# Allegro board pc065c_fibv2_toplevel_13_fix.brd (continued)
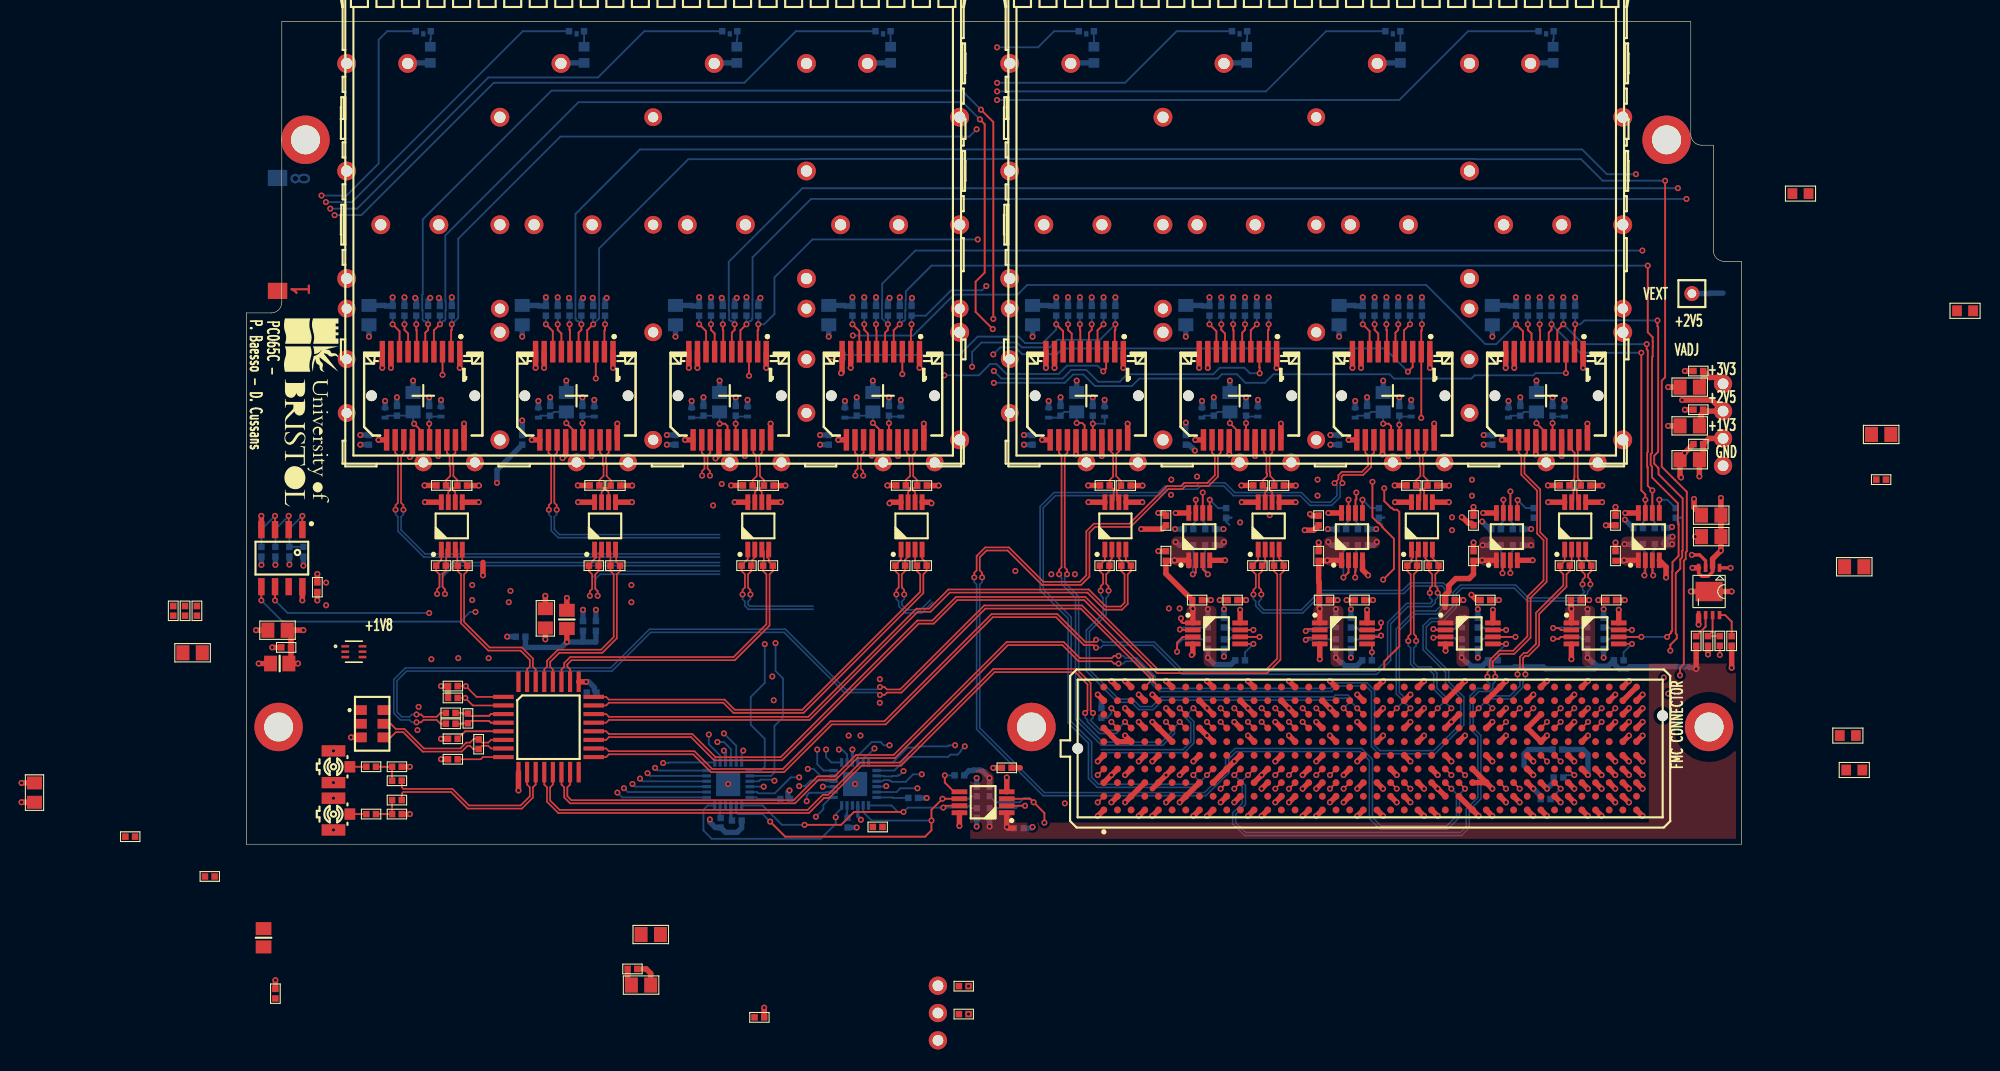
[diagram p0: board, top side]
## Routing (per net, layer and track width the routed paths; a pad name or vN(x,y) marks a point on that pad's centre or on a via; arc(x,y) is an arc through that point) (continued)
P2V5: length 103.3
  TOP w0.2: v1(86.9,21) 86.9,20.72 87.05,20.57 IC12.1
  TOP w0.5: IC16.1 v1(123.2,21.9) 123.15,21.95 C87.2 ; L2.1 v1(29.8,22.9) ; IC20.1 v1(128.1,26.4) 128.05,26.35 C95.2 ; R183.1 v1(134.8,16.3) ; C38.2 135.58,40.27 ; 135.58,40.27 135.26,39.95 135.26,39.06 C39.2 ; 135.58,40.27 J40.3 136.27,41.3 v1(133.5,41.3) ; IC12.1 v1(88,21.9) 87.95,21.95 ; C79.2 70.8,1.5 v1(70.7,1.6) IC11.1 ; 87.95,21.95 87.9,22 ; 87.95,21.95 C81.2 85.5,25.15 C89.2 86.25,26.35 v1(86.3,26.4) IC17.1 87.62,25.9 ; 116.22,26.4 v1(114.9,26.4) 114.85,26.35 C93.2 114.1,25.1 113.7,24.7 112.45,24.7 111.8,24.05 111.8,23.5 111.45,23.15 C85.2 111.45,22.01 ; 101.83,25.9 IC18.1 v1(100.5,26.4) 100.45,26.35 C91.2 99.7,24.38 99.75,24.32 C83.2 99.75,21.95 v1(99.8,21.9) IC14.1 ; C3.2 v1(27.8,23.1)
  BOTTOM w0.2: 105.6,29.7 105.3,30 R163.1 105.75,30.35 105.8,30.4 ; 133.2,29.7 133.2,29.9 132.9,30.2 R173.1 133.35,30.35 133.4,30.4 ; 91.4,29.7 91.1,30 R158.1 91.55,30.35 91.6,30.4
  BOTTOM w0.5: v1(90.9,28.1) 90.6,27.8 R156.2 ; v1(132.56,27.9) R171.2 131.85,28.1 131.9,28.15 131.9,28.17 132.28,28.56 132.31,28.56 132.35,28.6 v1(132.6,28.6) ; R133.1 67.19,6.84 67.55,6.84 67.6,6.89 68.2,6.89 68.25,6.84 68.41,6.84 v1(69.1,6.16) R131.2 ; R172.2 v1(128.15,27.9) ; R151.2 v1(124.7,17.34) 125.17,16.88 125.27,16.88 125.59,16.55 ; R138.1 91.55,16.7 90.05,16.7 v1(89.4,17.34) R136.2 ; R161.2 104.8,27.8 v1(105.1,28.1) ; R141.2 v1(101.3,17.34) 101.77,16.88 101.86,16.88 102.15,16.59 103.25,16.59 R143.1 ; 134.9,16.4 134.2,16.4 134.1,16.5 128.63,16.5 128.43,16.3 127.64,16.3 127.2,16.74 127.2,17.05 R153.1 126.6,16.55 125.59,16.55 ; R146.2 v1(113,17.34) 113.47,16.88 113.56,16.88 113.89,16.55 114.9,16.55 R148.1 115.64,16.91 115.64,16.63 115.88,16.39 117.81,16.39 117.9,16.49 120.6,16.49 120.79,16.3 125.34,16.3 125.59,16.55 ; R152.2 v1(124.7,21.86) ; C79.2 70.8,1.5 v1(70.7,1.6) ; R142.2 v1(101.3,21.86) ; R147.2 v1(113.3,21.05) ; TP10.1 136.03,51.2 136.07,51.24 137.3,51.24 ; R137.2 v1(89.4,21.86) ; v1(100.6,28.1) 100.6,28.1 100.9,27.8 R162.2 ; R166.2 v1(119.45,27.8) ; R167.2 v1(114.94,27.8) ; v1(86.4,28.1) 86.4,28.1 86.7,27.8 R157.2 ; R132.2 v1(69.1,1.65)
P2V5_FILT: length 12.8
  TOP w0.5: L2.2 v1(29.8,18.8) ; C17.2 35.45,-12.75 C15.2
  BOTTOM w0.5: C11.2 31.3,18.8 ; 31.3,18.8 32.5,18.8 C14.2 ; 31.3,18.8 v1(29.8,18.8) 29.3,18.3 25.95,18.3 C13.2
P3V3: length 148.9
  TOP w0.3: U11.1 v1(138,25.7)
  TOP w0.5: C94.2 113.91,29.84 113.63,29.84 113.07,30.4 v1(113,30.4) ; R182.1 v1(135.9,17.64) ; U9.8 v1(92.55,31.8) ; U10.8 v1(78.3,31.8) ; C88.2 v1(125.7,22.7) ; C6.2 v1(-20.91,5.7) ; C84.2 v1(102.3,22.7) ; IC20.8 v1(128.2,30.8) ; v1(83.2,29.3) 85.15,29.3 C90.2 ; IC17.8 v1(86.4,30.8) ; U5.8 v1(45.4,31.8) ; 116.22,30.8 v1(115,30.8) ; C112.1 v1(6.6,22.67) ; L1.1 v1(1.15,16.8) ; C96.2 v1(126.4,29.65) ; C80.2 v1(69.44,7.1) ; C2.2 135.45,42.85 C1.2 136.05,43.4 136.71,43.4 J40.4 ; v1(59.8,31.7) 59.9,31.8 U6.8 ; IC1.8 v1(5.21,22.67) ; IC12.8 v1(92.4,21.8) ; C92.2 99.25,29.2 v1(98.4,29.2) ; C86.2 114.4,22.7 v1(113.9,23.2) ; U7.8 v1(121.05,31.8) ; IC15.8 v1(115.9,21.8) ; U8.8 v1(106.8,31.8) ; U11.5 v1(135.03,20.42) ; IC14.8 v1(104.2,21.8) ; IC16.8 v1(127.6,21.8) ; 66.3,2.92 v1(66.3,1.7) ; C82.2 v1(90.5,22.7) ; IC18.8 v1(100.6,30.8) ; U4.8 v1(30.84,31.8) ; U3.8 v1(16.59,31.8)
  L4_PWR w0.5: J40.4 137.3,43.84 ; J40.4 138.08,43.59 ; J40.4 136.52,42.03 ; J40.4 136.27,42.81 ; J40.4 138.08,42.03 ; J40.4 136.52,43.59 ; J40.4 137.3,41.78
  BOTTOM w0.3: IC10.21 56.85,2.59 57.1,2.34 57.1,2.31 v1(57.14,2.27) ; C98.2 45.05,2.3 IC23.21
  BOTTOM w0.5: C31.2 v1(10.6,37.15) ; L13.2 v1(117.35,41.22) ; R122.2 v1(90.65,50.85) ; v1(44.2,50.8) 44.2,50.6 44.3,50.5 R46.2 ; R36.1 33.35,50.65 33.5,50.8 v1(33.5,50.8) ; v1(17.9,50.8) 17.9,50.7 18,50.6 R28.2 ; R54.2 v1(58.55,50.85) ; R52.1 61.85,50.76 v1(61.89,50.8) ; v1(30,50.8) 30,50.7 30.05,50.65 R38.2 ; R105.2 v1(122.45,50.85) ; C59.2 v1(115.05,37.15) ; L19.2 v1(74.6,41.22) ; L10.1 v1(60.85,41.32) ; v1(31.3,50.8) 31.3,50.7 31.15,50.55 R39.2 ; R119.2 v1(91.75,50.85) ; R165.2 v1(100.55,29.3) ; R129.2 v1(79.7,50.85) ; v1(15.7,50.8) 15.7,50.8 15.8,50.7 R26.2 ; R128.2 v1(78.6,50.85) ; L6.1 v1(32.35,41.32) ; R155.2 v1(126.2,21.86) ; R127.2 v1(77.5,50.85) ; R101.1 v1(123.55,50.85) ; R164.2 v1(105.06,29.3) ; v1(27.85,50.85) R37.1 27.17,50.05 27.12,50.1 C41.2 ; R144.2 v1(102.7,17.34) ; R117.1 v1(95.05,50.85) ; R125.1 v1(80.8,50.85) ; R174.2 132.3,29.4 132.4,29.5 v1(132.56,29.5) ; v1(75.3,50.85) R126.1 74.62,50.05 74.57,50.1 C75.2 ; R48.2 v1(46.5,50.85) ; R169.2 v1(119.45,29.3) ; R111.2 v1(106,50.85) ; R154.2 v1(126.2,17.34) ; R44.1 47.6,50.5 47.8,50.7 v1(47.8,50.8) ; R103.2 v1(120.25,50.85) ; L9.2 v1(41.4,41.22) ; R113.2 v1(108.2,50.85) ; R139.2 v1(90.9,17.44) ; R170.2 115.6,29.3 v1(114.9,30) ; R49.2 v1(43.2,50.85) ; L14.1 v1(108.3,41.32) ; C45.2 v1(39.09,37.15) ; C69.2 87.65,37.15 87.93,36.87 87.94,36.87 v1(88.2,36.6) ; L5.2 v1(12.9,41.22) ; v1(17.1,50.8) 17.1,50.8 16.9,50.6 R27.2 ; L15.2 v1(103.1,41.22) ; v1(103.8,50.85) R110.1 103.12,50.05 103.07,50.1 C65.2 ; v1(118.05,50.85) R102.1 117.37,50.05 117.32,50.1 C60.2 ; v1(13.6,50.85) R25.1 12.92,50.05 12.87,50.1 C32.2 ; R29.2 v1(14.7,50.85) ; L4.1 v1(18.1,41.32) ; C46.2 41.37,50.1 41.42,50.05 R45.1 v1(42.1,50.85) ; L7.2 v1(27.15,41.22) ; R135.2 v1(67.9,1.65) ; L17.2 v1(88.85,41.22) ; R120.2 v1(92.85,50.85) ; C70.2 88.82,50.1 88.87,50.05 R118.1 v1(89.55,50.85) ; v1(23.3,33.6) 23.3,34.8 C40.2 ; R130.2 v1(76.4,50.85) ; R40.2 32.25,50.75 32.2,50.8 v1(32.2,50.8) ; R112.2 v1(107.1,50.85) ; R150.2 v1(114.5,21.86) ; v1(50.5,5) 50.36,4.86 50.36,4.39 R180.1 ; v1(45.6,50.8) 45.6,50.8 45.4,50.6 R47.2 ; R114.2 v1(104.9,50.85) ; L12.1 v1(122.55,41.32) ; R201.2 v1(5.3,25.9) ; v1(56.35,50.85) R53.1 55.67,50.05 55.62,50.1 C51.2 ; R109.1 v1(109.3,50.85) ; R56.2 v1(60.75,50.85) ; R160.2 v1(86.34,29.3) ; L11.2 v1(55.65,41.22) ; R145.2 v1(102.7,21.86) ; L8.1 v1(46.6,41.32) ; R159.2 v1(90.86,29.3) ; R140.2 v1(90.9,21.86) ; L18.1 v1(79.8,41.32) ; R104.2 v1(121.35,50.85) ; R55.2 59.65,50.55 59.8,50.7 v1(59.8,50.8) ; R175.2 v1(128.18,30.18) ; C74.2 v1(72.3,37.15) ; R41.2 v1(28.95,50.85) ; R121.2 v1(93.95,50.85) ; R106.2 v1(119.15,50.85) ; R134.2 v1(67.9,6.16) ; C50.2 v1(53.34,37.15) ; R24.1 v1(19.1,50.85) ; C64.2 v1(100.8,37.15) ; R57.2 v1(57.45,50.85) ; R149.2 v1(114.5,17.34) ; L16.1 v1(94.05,41.32)
  vias: v1(67.15,-13.2) v1(67.15,-15.8)
P3V3A: length 5.7
  TOP w0.5: v1(4.8,16.8) L1.2 4.15,17 C5.2 4.15,19.55 C8.2 v1(5.3,19.9)
P3V3AUX: length 5.9
  TOP w0.5: 119.09,7 v1(119.66,6.43)
  BOTTOM w0.5: v1(119.66,6.43) 118.8,7.29 118.8,8.4 119.2,8.8 R21.1
P12V: length 1.6
  TOP w0.5: J2.C35 v1(123.47,5.16) ; J2.C37 v1(126.01,5.16)
250MXTAL_N: length 12.6
  TOP w0.15: U1.7 22.75,8.9 22.49,9.15 21.91,9.15 R4.2 21.1,8.85 20.79,9.15 20.57,9.15 20.02,8.61 16.39,8.61 14.58,10.42 13.9,10.42 13.41,9.93 QZ1.4
250MXTAL_P: length 12.7
  TOP w0.15: U1.6 22.75,9.7 22.49,9.45 21.91,9.45 R4.1 21.55,9.8 21.15,9.8 20.79,9.45 20.45,9.45 19.9,8.9 16.51,8.9 14.7,10.71 13.9,10.71 13.41,11.2 QZ1.5
CDCLVD110_CK: length 128.8
  TOP w0.15: U1.1 21.4,13.7 v1(20.4,14.7) R6.2 ; 116.56,10.8 v1(117.12,11.37)
  L6_SIG w0.15: v1(20.4,14.7) 26.4,14.7 32.8,8.3 32.8,5.2 37,1 75.2,1 77,2.8 77,6.6 78.7,8.3 83.2,8.3 83.6,7.9 83.6,2.45 84.65,1.4 109.25,1.4 110.1,2.25 110.1,8.6 112.2,10.7 116.45,10.7 v1(117.12,11.37)
CDCLVD110_EN: length 5.1
  TOP w0.15: R7.2 21.8,7.9 22,8.1 U1.8 ; J2.H37 v1(126.01,12.64)
CDCLVD110_SI: length 119.8
  TOP w0.15: U1.2 21.06,12.9 v1(20.36,13.6) R5.2 ; J2.D26 v1(112.04,6.43)
  L6_SIG w0.15: v1(112.04,6.43) 111.4,5.79 111.4,1.99 110.41,1 82.7,1 82.2,1.5 82.2,3.1 82.8,3.7 82.8,6.3 82,7.1 78.46,7.1 77.6,6.24 77.6,2.5 75.7,0.6 35.84,0.6 31.7,4.74 31.7,7.84 25.94,13.6 v1(20.36,13.6)
CLK_DIR: length 0.8
  TOP w0.17: J2.B1 v1(79.16,3.89)
CLK_IN_N<1>: length 90.8
  TOP w0.15: J2.K5 84.31,15.11 84.31,15.58 77.7,22.2 68.6,22.2 60.79,14.39 59.56,14.39 59.34,14.61 v1(58.91,14.61) ; v1(15.82,11.34) 16.25,11.34 16.47,11.55 17.69,11.55 18.05,11.2 C18.1
  BOTTOM w0.15: v1(15.82,11.34) 15.39,11.34 15.17,11.55 14.33,11.55 13.71,12.18 13.71,15.32 14.78,16.39 33.88,16.39 37.48,19.99 50.12,19.99 55.72,14.39 58.64,14.39 58.86,14.61 v1(58.91,14.61)
CLK_IN_P<1>: length 89.3
  TOP w0.15: C16.2 18.05,12.2 17.69,11.85 16.47,11.85 16.25,12.06 v1(15.82,12.06) ; J2.K4 84.03,15.11 84.03,15.46 77.58,21.91 68.72,21.91 60.91,14.1 59.56,14.1 59.34,13.88 v1(58.91,13.88)
  BOTTOM w0.15: v1(15.82,12.06) 15.39,12.06 15.17,11.85 14.46,11.85 14,12.3 14,15.2 14.9,16.1 34,16.1 37.6,19.7 50,19.7 55.6,14.1 58.69,14.1 v1(58.91,13.88)
CLK_MAIN_N<0>: length 17.1
  TOP w0.15: U1.30 26.9,16.25 26.64,16.51 26.64,17.27 25.62,18.29 22.62,18.29 20.25,20.67 20.25,25.09 20.55,25.4 R186.2 20.55,25.96 20.07,26.43 U3.4
CLK_MAIN_N<1>: length 17.6
  TOP w0.15: U4.4 34.38,27.34 34.38,26.27 R188.2 34.75,25.4 34.45,25.09 34.45,19.14 33.1,17.8 29.1,17.8 28.25,16.95 28.25,16.51 28.5,16.25 U1.28
CLK_MAIN_N<2>: length 29.5
  TOP w0.15: U5.4 48.52,27.4 48.41,27.28 48.41,26.7 48.58,26.53 48.58,26.27 R190.2 48.95,25.4 48.65,25.09 48.65,20.33 45.42,17.11 30.23,17.11 29.84,16.72 29.84,16.51 30.1,16.25 U1.26
CLK_MAIN_N<3>: length 40.1
  TOP w0.15: U1.23 33.45,12.9 33.71,13.15 44.34,13.15 45.29,12.21 51.81,12.21 62.95,23.34 62.95,25.09 63.25,25.4 R192.2 63.25,26.15 62.83,26.57 U6.4
CLK_MAIN_N<4>: length 60.9
  TOP w0.15: 81.78,27.4 81.78,26.41 81.89,26.3 81.89,26.3 82.25,25.93 R200.2 82.25,25.4 81.94,25.09 81.94,22.33 81.42,21.81 79.79,21.81 78.21,23.39 65.4,23.39 63.61,21.61 62.42,21.61 52.37,11.55 33.71,11.55 33.45,11.3 U1.21
CLK_MAIN_N<5>: length 84.9
  TOP w0.15: U1.19 33.45,9.7 33.71,9.96 41.34,9.96 43.5,7.8 49.8,7.8 62.51,20.51 63.91,20.51 66.1,22.7 77.89,22.7 84.69,15.9 94.9,15.9 96.14,17.14 96.14,25.09 96.45,25.4 R198.2 96.33,26.02 96.33,26.27 96.03,26.57 U9.4
CLK_MAIN_N<6>: length 97.6
  TOP w0.15: 110.28,27.4 110.28,26.62 110.85,26.05 R196.2 110.85,25.4 110.55,25.09 110.55,24.02 110.77,23.8 v1(110.77,23.37) ; v1(79,18.28) 78.77,18.51 77.88,18.51 75.28,21.11 69.41,21.11 59.44,11.14 54.44,11.14 50,6.7 43.2,6.7 41.55,8.36 33.71,8.36 33.45,8.1 U1.17
  BOTTOM w0.15: v1(110.77,23.37) 110.77,22.93 110.55,22.71 110.55,22.45 110.2,22.1 108,22.1 106.4,20.5 106.4,17.1 105.1,15.8 87,15.8 84.3,18.5 79.66,18.5 79.44,18.28 v1(79,18.28)
CLK_MAIN_N<7>: length 134.9
  TOP w0.15: v1(124.97,24.17) 124.97,24.6 124.75,24.82 124.75,25.09 125.05,25.4 R194.2 125.05,26.05 124.53,26.57 U7.4 ; U1.14 29.3,5.54 29.55,5.29 29.55,4.34 30.1,3.8 51.01,3.8 53.22,6.01 54.81,6.01 56.81,8.01 60.31,8.01 70.81,18.51 75.88,18.51 77.38,17.01 80.45,17.01 80.67,16.79 v1(81.1,16.79)
  BOTTOM w0.15: v1(81.1,16.79) 81.54,16.79 81.76,17.01 82.69,17.01 84.2,15.5 84.2,14.9 84.9,14.2 100.91,14.2 101.42,14.71 104.08,14.71 104.61,14.18 104.61,9.08 105.28,8.41 110.52,8.41 113.2,11.09 113.2,13.7 111.79,15.11 111.79,16.11 109.7,18.2 109.7,20.19 110.21,20.7 111.2,20.7 112.49,21.99 112.49,23.29 113.01,23.81 117.89,23.81 119.09,22.61 124.01,22.61 124.7,23.3 124.7,23.5 124.97,23.77 v1(124.97,24.17)
CLK_MAIN_N<8>: length 68.4
  TOP w0.15: 82.27,10.8 v1(81.7,11.37) ; v1(77.99,12.2) 77.99,12.25 78.21,12.47 78.21,14.86 77.07,16 69.57,16 60.87,7.3 57.2,7.3 54.2,4.3 53.71,4.3 52.31,2.9 29,2.9 27.95,3.94 27.95,5.29 27.7,5.54 U1.12
  BOTTOM w0.15: v1(81.7,11.37) 81.21,10.88 81.21,10.62 80.89,10.3 79.3,10.3 78.21,11.39 78.21,11.54 77.99,11.76 v1(77.99,12.2)
CLK_MAIN_N<9>: length 15.9
  TOP w0.15: C121.1 14.45,5.29 14.6,5.14 19.16,5.14 20.7,3.6 25.5,3.6 26.36,4.46 26.36,5.29 26.1,5.54 U1.10
CLK_MAIN_P<0>: length 17.1
  TOP w0.15: U3.3 19.61,27.4 19.61,25.93 R186.1 19.65,25.4 19.95,25.09 19.95,20.55 22.5,18 25.5,18 26.36,17.14 26.36,16.51 26.1,16.25 U1.31
CLK_MAIN_P<1>: length 17.5
  TOP w0.15: U4.3 33.85,27.23 R188.1 33.85,25.4 34.16,25.09 34.16,19.27 32.98,18.09 28.98,18.09 27.95,17.07 27.95,16.51 27.7,16.25 U1.29
CLK_MAIN_P<2>: length 29.3
  TOP w0.15: 47.92,27.4 48.12,27.21 48.12,26.37 48.05,26.3 R190.1 48.05,25.4 48.35,25.09 48.35,20.45 45.3,17.4 30.11,17.4 29.55,16.84 29.55,16.51 29.3,16.25 U1.27
CLK_MAIN_P<3>: length 39.5
  TOP w0.15: U6.3 62.17,26.07 R192.1 62.35,25.4 62.66,25.09 62.66,23.47 51.69,12.5 45.41,12.5 44.47,13.45 33.71,13.45 33.45,13.7 U1.24
CLK_MAIN_P<4>: length 60.4
  TOP w0.15: U1.22 33.45,12.1 33.71,11.85 52.25,11.85 62.3,21.9 63.49,21.9 65.28,23.68 78.33,23.68 79.91,22.1 81.3,22.1 81.66,22.45 81.66,25.09 81.35,25.4 R200.1 81.39,25.94 81.39,26.31 81.12,26.57 U10.3
CLK_MAIN_P<5>: length 84.4
  TOP w0.15: U9.3 95.5,27.4 95.5,26.05 95.55,26 R198.1 95.55,25.4 95.86,25.09 95.86,17.27 94.78,16.19 84.81,16.19 78.01,22.99 65.98,22.99 63.79,20.8 62.39,20.8 49.68,8.09 43.62,8.09 41.47,10.24 33.71,10.24 33.45,10.5 U1.20
CLK_MAIN_P<6>: length 97
  TOP w0.15: v1(79,19.01) 78.79,18.8 78,18.8 75.4,21.4 69.29,21.4 59.32,11.43 54.32,11.43 49.88,6.99 43.32,6.99 41.67,8.64 33.71,8.64 33.45,8.9 U1.18 ; U8.3 109.62,26.57 109.95,26.25 R196.1 109.95,25.4 110.25,25.09 110.25,24.02 110.03,23.8 v1(110.03,23.37)
  BOTTOM w0.15: v1(110.03,23.37) 110.03,22.93 110.25,22.71 110.25,22.57 110.08,22.39 107.88,22.39 106.11,20.62 106.11,17.22 104.98,16.09 87.12,16.09 84.42,18.79 79.66,18.79 79.44,19.01 v1(79,19.01)
CLK_MAIN_P<7>: length 133.8
  TOP w0.15: v1(124.23,24.17) 124.23,24.6 124.45,24.82 124.45,25.09 124.15,25.4 R194.1 124.15,26.25 123.88,26.52 U7.3 ; v1(81.1,17.52) 80.67,17.52 80.45,17.3 77.5,17.3 76,18.8 70.69,18.8 60.19,8.3 56.69,8.3 54.69,6.3 53.1,6.3 50.89,4.09 30.22,4.09 29.84,4.47 29.84,5.29 30.1,5.54 U1.15
  BOTTOM w0.15: v1(124.23,24.17) 124.23,23.68 124.41,23.5 124.41,23.42 123.89,22.9 119.21,22.9 118.01,24.1 112.89,24.1 112.2,23.41 112.2,22.11 111.08,20.99 110.09,20.99 109.41,20.31 109.41,18.08 111.5,15.99 111.5,14.99 112.91,13.58 112.91,11.21 110.4,8.7 105.4,8.7 104.9,9.2 104.9,14.3 104.2,15 101.3,15 100.79,14.49 85.02,14.49 84.49,15.02 84.49,15.62 82.81,17.3 81.76,17.3 81.54,17.52 v1(81.1,17.52)
CLK_MAIN_P<8>: length 67.5
  TOP w0.15: U1.13 28.5,5.54 28.25,5.29 28.25,4.07 29.12,3.19 52.19,3.19 53.59,4.59 54.08,4.59 57.08,7.59 60.75,7.59 69.45,16.29 77.19,16.29 78.5,14.98 78.5,12.42 v1(78.72,12.2) ; 81,10.8 v1(80.43,11.37)
  BOTTOM w0.15: v1(78.72,12.2) 78.72,11.76 78.5,11.54 78.5,11.51 79.42,10.59 80.77,10.59 80.92,10.74 80.92,10.88 v1(80.43,11.37)
CLK_MAIN_P<9>: length 16.4
  TOP w0.15: C30.1 14.45,4.71 14.6,4.86 19.03,4.86 20.58,3.31 25.62,3.31 26.64,4.33 26.64,5.29 26.9,5.54 U1.11
CLK_VOLTREFOUT: length 4.5
  TOP w0.17: R9.1 20.35,10.5 U1.5
FMC_3P3V: length 7.7
  TOP w0.5: 126.72,7 v1(127.28,6.43) ; 129.25,7 v1(129.82,6.43) ; J2.C39 v1(128.55,5.16) ; 124.17,7 v1(124.74,6.43)
  BOTTOM w0.5: v1(124.74,6.43) 124.74,8.36 124.3,8.8 R21.2
FMC_LA_N<13>: length 0.8
  TOP w0.15: J2.D18 v1(100.75,6.43)
FMC_LA_N<26>: length 0.8
  TOP w0.15: 112.75,7 v1(113.31,6.43)
FMC_LA_N<32>: length 0.8
  TOP w0.15: 126.72,12.07 v1(127.28,12.64)
FMC_LA_P<13>: length 0.8
  TOP w0.15: J2.D17 v1(99.48,6.43)
HB_N<19>: length 0.8
  TOP w0.15: 121.64,8.27 v1(122.2,7.7)
HB_P<19>: length 0.8
  TOP w0.15: J2.E33 v1(120.93,7.7)
I2C_LED_0: length 111.3
  L3_SIG w0.17: v1(34.5,4.8) 34.5,34.99 34.43,35.06 34.43,35.94 34.5,36.01 34.5,38.37 35.02,38.89 35.02,39.32 34.5,39.84 34.5,41.19 34.43,41.26 34.43,42.14 34.5,42.21 34.5,43.96 34.62,44.08 34.62,44.51 34.5,44.63 34.5,51.8 32.4,53.9 9.9,53.9 6.64,57.16 6.64,59.97 v1(6.99,60.32)
  BOTTOM w0.17: DS1.2 13.1,75.6 12.3,74.8 12.3,63.3 9.32,60.32 v1(6.99,60.32) ; IC23.1 34.95,4.35 v1(34.5,4.8)
I2C_LED_1: length 118.8
  L3_SIG w0.17: v1(35.11,5.21) 35.11,28.21 36.8,29.9 36.8,36.7 35.9,37.6 35.9,40.2 37,41.3 37,42.3 35.5,43.8 35.5,51.4 32.6,54.3 10.1,54.3 7.05,57.35 7.05,59.36 v1(7.39,59.71)
  BOTTOM w0.17: v1(7.39,59.71) 9.81,59.71 25.7,75.6 DS2.2 ; v1(35.11,5.21) 35.46,4.85 IC23.2
I2C_LED_2: length 132.5
  L3_SIG w0.17: v1(7.8,59.1) 7.45,58.75 7.45,57.55 10.3,54.7 32.9,54.7 39.1,48.5 39.1,46.4 38.6,45.9 38.6,39.69 39.62,38.67 39.62,35.92 37.5,33.8 37.5,21.7 35.9,20.1 v1(35.9,5.6)
  BOTTOM w0.17: v1(35.9,5.6) 36.15,5.35 IC23.3 ; v1(7.8,59.1) 10.3,59.1 22.5,71.3 32.7,71.3 37,75.6 DS3.2
I2C_LED_3: length 145.2
  L3_SIG w0.17: v1(8.21,58.49) 8.21,57.4 10.5,55.1 33.2,55.1 40.6,47.7 40.6,46.9 39.08,45.38 39.08,40.02 39.95,39.15 39.95,35.25 39.1,34.4 39.1,21.6 36.6,19.1 v1(36.6,6.1)
  BOTTOM w0.17: IC23.4 36.85,5.85 v1(36.6,6.1) ; DS4.2 51.1,75.6 46.3,70.8 23,70.8 10.7,58.5 8.71,58.5 8.71,58.49 v1(8.21,58.49)
I2C_LED_4: length 97.2
  L3_SIG w0.17: v1(37.3,6.6) 37.3,18.5 40.4,21.6 40.4,37.24 40.28,37.36 40.28,37.84 40.4,37.96 40.4,38.5 49.1,47.2 49.1,57.4 63.1,71.4 67.1,71.4 v1(69.8,74.1)
  BOTTOM w0.17: DS5.2 75.1,75.6 73.6,74.1 v1(69.8,74.1) ; v1(37.3,6.6) 37.55,6.35 IC23.5
I2C_LED_5: length 110
  L3_SIG w0.17: v1(69.8,70.8) 63.4,70.8 49.6,57 49.6,46.4 47.4,44.2 47.4,40.2 45.3,38.1 44.2,38.1 41.3,35.2 41.3,20.2 38,16.9 v1(38,7.1)
  BOTTOM w0.17: DS6.2 86.5,75.6 81.7,70.8 v1(69.8,70.8) ; IC23.6 38.25,6.85 v1(38,7.1)
I2C_LED_6: length 122.7
  L3_SIG w0.17: v1(69.8,70) 63.6,70 50.1,56.5 50.1,44.8 47.9,42.6 47.9,40 45.5,37.6 44.61,37.6 41.7,34.69 41.7,19.7 38.75,16.75 v1(38.75,7.55)
  BOTTOM w0.17: DS7.2 100.4,75.6 94.8,70 v1(69.8,70) ; IC23.7 39.3,7.6 39.25,7.55 v1(38.75,7.55)
I2C_LED_7: length 131.5
  L3_SIG w0.17: v1(43,10.2) 42.65,10.55 42.65,32.75 44.3,34.4 46.9,34.4 47.7,35.2 47.7,39.2 48.4,39.9 48.4,42.3 50.6,44.5 50.6,56 63.8,69.2 v1(69.8,69.2)
  BOTTOM w0.17: v1(69.8,69.2) 107.2,69.2 113.6,75.6 DS8.2 ; v1(43,10.2) 43,9.3 44.05,8.25 IC23.8
I2C_SCL: length 106.8
  TOP w0.17: IC11.7 64.97,3.58 v1(64.8,3.4) ; v1(61.1,3) 56.5,3 55.3,1.8 v1(51.9,1.8) ; IC1.6 v1(2.67,22.67)
  L3_SIG w0.17: 72.1,17.4 73.19,16.3 73.19,14.71 75.8,12.1 75.8,8.1 74.47,6.77 72.97,6.77 69.6,3.4 v1(64.8,3.4) ; v1(17,21.5) 17.67,20.83 17.67,17.96 17.6,17.89 17.6,17.6 v1(17.2,17.2) ; 19.5,1.2 19.9,0.8 33.3,0.8 34.72,2.22 40.08,2.22 40.83,1.47 42.66,1.47 42.73,1.4 43.47,1.4 43.54,1.47 50.78,1.47 51.11,1.8 v1(51.9,1.8)
  BOTTOM w0.17: IC10.19 59.98,3.6 60.58,3 v1(61.1,3) 61.5,3.4 v1(64.8,3.4) 66.99,3.4 67.16,3.58 67.39,3.35 R135.1 ; v1(17,21.5) 3.83,21.5 v1(2.67,22.67) ; v1(51.9,1.8) 49.8,1.8 48,3.6 IC23.19
I2C_SCL_CVCC: length 5.9
  TOP w0.17: 116.56,5.72 v1(117.12,5.16) ; 70.7,3.58 v1(72.4,3.58)
  BOTTOM w0.17: R132.1 71.55,3.35 71.77,3.57 72.37,3.57 72.38,3.58 v1(72.4,3.58)
I2C_SDA: length 116.8
  TOP w0.17: v1(48.7,2.1) 50.1,0.7 63.1,0.7 63.7,1.3 v1(63.7,2.2) 63.7,3.2 v1(64.72,4.22) 66.3,4.22 ; 1.4,23.95 v1(1.4,22.67)
  L3_SIG w0.17: v1(64.72,4.22) 66.71,4.22 68.07,5.58 68.14,5.58 68.47,5.92 68.47,5.98 68.53,6.04 68.53,6.39 68.88,6.74 68.88,7.34 68.9,7.36 68.9,11.09 69.87,12.06 69.87,12.07 71,13.2 71,18.84 72.1,19.94 ; v1(19.7,17.3) 21.48,17.3 21.65,17.47 21.65,21.25 v1(21.3,21.6) ; 17.91,3.4 18.81,2.5 20.5,2.5 21.5,1.5 33.3,1.5 34.48,2.68 41.32,2.68 42.2,1.8 42.79,1.8 42.86,1.73 43.34,1.73 43.41,1.8 46.01,1.8 46.41,2.2 48.11,2.2 48.21,2.1 v1(48.7,2.1)
  BOTTOM w0.17: IC23.20 45.55,2.97 45.72,2.8 48,2.8 v1(48.7,2.1) ; IC10.20 57.35,2.99 58.14,2.2 v1(63.7,2.2) ; v1(1.4,22.67) 3.37,20.7 19.9,20.7 20.8,21.6 v1(21.3,21.6) ; R134.1 67.39,4.45 67.16,4.22 v1(64.72,4.22)
I2C_SDA_CVCC: length 10.4
  TOP w0.17: IC11.3 72.88,4.22 v1(73.2,3.9) 74.2,2.9 v1(74.2,2) ; J2.C31 v1(118.39,5.16)
  BOTTOM w0.17: v1(73.2,3.9) 72.82,4.28 72.3,4.28 71.92,3.9 69.65,3.9 R131.1
MOD_ABS: length 3.4
  TOP w0.17: J7.6 15.84,47.79 15.8,47.83 v1(15.8,48.34)
  BOTTOM w0.17: R26.1 v1(15.8,48.34)
MOD_ABS_1: length 3.4
  TOP w0.17: J12.6 30.09,47.79 30.05,47.83 v1(30.05,48.34)
  BOTTOM w0.17: R38.1 v1(30.05,48.34)
MOD_ABS_2: length 3.4
  TOP w0.17: J16.6 44.34,47.79 44.3,47.83 v1(44.3,48.34)
  BOTTOM w0.17: R46.1 v1(44.3,48.34)
MOD_ABS_3: length 3.4
  TOP w0.17: J20.6 58.59,47.79 58.55,47.83 v1(58.55,48.34)
  BOTTOM w0.17: R54.1 v1(58.55,48.34)
MOD_ABS_4: length 3.4
  TOP w0.17: J24.6 120.29,47.79 120.25,47.83 v1(120.25,48.34)
  BOTTOM w0.17: R103.1 v1(120.25,48.34)
MOD_ABS_5: length 3.4
  TOP w0.17: J28.6 106.04,47.79 106,47.83 v1(106,48.34)
  BOTTOM w0.17: R111.1 v1(106,48.34)
MOD_ABS_6: length 3.4
  TOP w0.17: J32.6 91.79,47.79 91.75,47.83 v1(91.75,48.34)
  BOTTOM w0.17: R119.1 v1(91.75,48.34)
MOD_ABS_7: length 3.4
  TOP w0.17: J36.6 77.54,47.79 77.5,47.83 v1(77.5,48.34)
  BOTTOM w0.17: R127.1 v1(77.5,48.34)
PGOOD_C2M: length 79
  TOP w0.17: R62.1 v1(137,17.6) ; J2.D1 v1(79.16,6.43)
  L6_SIG w0.17: v1(79.16,6.43) 78.2,5.47 78.2,1.8 79.4,0.6 128.8,0.6 133,4.8 133,13.3 133.7,14 135.1,14 137,15.9 v1(137,17.6)
PRSNT_L: length 2.4
  TOP w0.17: 81,12.07 v1(80.43,12.64)
  BOTTOM w0.17: v1(80.43,12.64) 80.43,12.14 80.04,11.75 R15.2
RD_FPGA_N<0>: length 40.5
  TOP w0.15: 91.16,10.8 v1(90.59,11.37) ; J7.12 13.84,36.4 14.1,36.14 14.1,31.75 13.88,31.53 v1(13.88,31.1)
  BOTTOM w0.15: v1(13.88,31.1) 13.88,30.66 14.1,30.44 14.1,29.11 16.5,26.7 44.01,26.7
RD_FPGA_N<1>: length 25.5
  TOP w0.15: J2.H32 v1(119.66,12.64) ; v1(28.12,31.1) 28.12,31.53 28.34,31.75 28.34,36.14 28.09,36.4 J12.12
  BOTTOM w0.15: 44.01,28.5 29,28.5 28.34,29.16 28.34,30.44 28.12,30.66 v1(28.12,31.1)
RD_FPGA_N<2>: length 4.3
  TOP w0.15: J16.12 42.34,36.4 42.59,36.14 42.59,34.92 42.38,34.7 v1(42.38,34.27) ; J2.H35 v1(123.47,12.64)
RD_FPGA_N<3>: length 4.3
  TOP w0.15: J20.12 56.59,36.4 56.84,36.14 56.84,34.92 56.62,34.7 v1(56.62,34.27) ; 94.97,10.8 v1(94.4,11.37)
RD_FPGA_N<4>: length 39.6
  TOP w0.15: 87.34,10.8 v1(86.78,11.37) ; J36.12 75.54,36.4 75.8,36.14 75.8,25.75 75.58,25.53 v1(75.58,25.1)
  BOTTOM w0.15: v1(86.78,11.37) 86.29,10.88 86.29,10.28 85.21,9.2 79.5,9.2 77.1,11.6 77.1,22.9 75.8,24.2 75.8,24.77 75.58,25 v1(75.58,25.1)
RD_FPGA_N<5>: length 110.2
  TOP w0.15: v1(67.68,24.81) 67.68,25.24 67.9,25.46 67.9,26.8 68.7,27.6 70.9,27.6 74.1,24.4 77.5,24.4 78.1,25 78.1,29.1 78.8,29.8 82.1,29.8 85.6,33.3 86.9,33.3 87.2,33.6 89.34,33.6 90.05,34.3 90.05,36.14 89.79,36.4 J32.12 ; J2.C27 v1(113.31,5.16)
  BOTTOM w0.15: v1(113.31,5.16) 112.8,4.65 112.8,2.49 111.72,1.41 105.38,1.41 104.41,2.38 104.41,7.78 103.58,8.61 92.04,8.61 91.34,7.91 91.34,6.64 89.21,4.51 74.08,4.51 67.9,10.69 67.9,24.15 67.68,24.37 v1(67.68,24.81)
RD_FPGA_N<6>: length 77.3
  TOP w0.15: v1(101.18,33.58) 101.54,33.94 101.54,34.31 101.86,34.62 103.72,34.62 104.3,35.2 104.3,36.14 104.04,36.4 J28.12 ; J2.D9 v1(89.32,6.43)
  BOTTOM w0.15: v1(89.32,6.43) 88.83,5.94 88.83,5.61 88.51,5.29 79.11,5.29 78.3,6.1 78.3,9.39 76.4,11.29 76.4,21 73.8,23.6 73.8,31.4 75.1,32.7 84.8,32.7 85.4,33.3 88.3,33.3 88.6,33.6 91,33.6 91.9,32.7 98.1,32.7 99,31.8 100.8,31.8 101.4,32.4 101.4,33.36 v1(101.18,33.58)
RD_FPGA_N<7>: length 70
  TOP w0.15: J24.12 118.29,36.4 118.55,36.14 118.55,34.34 120.01,32.88 120.01,28.88 120.61,28.28 120.61,24.52 119.11,23.02 119.11,19.32 117.78,17.99 116.48,17.99 115.61,17.12 115.61,16.22 115.39,16 v1(115.39,15.57) ; J2.D12 v1(93.13,6.43)
  BOTTOM w0.15: v1(115.39,15.57) 115.39,15.13 115.61,14.91 115.61,14.64 115.46,14.49 114.48,14.49 113.78,13.79 113.78,10.71 114.5,9.99 114.5,4.35 113.41,3.26 113.41,1.62 112.88,1.09 92.92,1.09 91.99,2.02 91.99,2.78 92.89,3.68 92.89,5.47 92.64,5.73 92.64,5.94 v1(93.13,6.43)
RD_FPGA_P<0>: length 40
  TOP w0.15: v1(14.61,31.1) 14.61,31.53 14.38,31.75 14.38,36.14 14.64,36.4 J7.13 ; 89.89,10.8 v1(89.32,11.37)
  BOTTOM w0.15: 44.01,26.99 16.62,26.99 14.38,29.23 14.38,30.44 14.61,30.66 v1(14.61,31.1)
RD_FPGA_P<1>: length 25
  TOP w0.15: J2.H31 v1(118.39,12.64) ; J12.13 28.89,36.4 28.64,36.14 28.64,31.75 28.86,31.53 v1(28.86,31.1)
  BOTTOM w0.15: 44.01,28.79 29.12,28.79 28.64,29.28 28.64,30.44 28.86,30.66 v1(28.86,31.1)
RD_FPGA_P<2>: length 4.3
  TOP w0.15: v1(43.1,34.27) 43.1,34.7 42.88,34.92 42.88,36.14 43.14,36.4 J16.13 ; 121.64,12.07 v1(122.2,12.64)
RD_FPGA_P<3>: length 4.3
  TOP w0.15: v1(57.35,34.27) 57.35,34.7 57.13,34.92 57.13,36.14 57.39,36.4 J20.13 ; 93.69,10.8 v1(93.13,11.37)
RD_FPGA_P<4>: length 38.6
  TOP w0.15: v1(76.31,25.1) 76.31,25.53 76.08,25.75 76.08,36.14 76.34,36.4 J36.13 ; 86.08,10.8 v1(85.51,11.37)
  BOTTOM w0.15: v1(85.51,11.37) 86,10.88 86,10.4 85.09,9.49 79.62,9.49 77.39,11.72 77.39,23.02 76.09,24.32 76.09,24.89 v1(76.31,25.1)
RD_FPGA_P<5>: length 109.2
  TOP w0.15: J32.13 90.59,36.4 90.33,36.14 90.33,34.18 89.47,33.31 87.32,33.31 87.02,33.01 85.72,33.01 82.22,29.51 78.92,29.51 78.39,28.98 78.39,24.88 77.62,24.11 73.98,24.11 70.78,27.31 68.82,27.31 68.19,26.68 68.19,25.46 68.41,25.24 v1(68.41,24.81) ; 111.47,5.72 v1(112.04,5.16)
  BOTTOM w0.15: v1(68.41,24.81) 68.41,24.37 68.19,24.15 68.19,10.81 74.2,4.8 89.09,4.8 91.05,6.76 91.05,8.03 91.92,8.9 103.7,8.9 104.7,7.9 104.7,2.5 105.5,1.7 111.6,1.7 112.51,2.61 112.51,4.69 v1(112.04,5.16)
RD_FPGA_P<6>: length 76.2
  TOP w0.15: J2.D8 v1(88.05,6.43) ; J28.13 104.84,36.4 104.58,36.14 104.58,35.07 103.85,34.34 101.98,34.34 101.83,34.19 101.83,33.66 v1(101.91,33.58)
  BOTTOM w0.15: v1(101.91,33.58) 101.91,33.53 101.69,33.31 101.69,32.28 100.92,31.51 98.88,31.51 97.98,32.41 91.78,32.41 90.88,33.31 88.72,33.31 88.42,33.01 85.52,33.01 84.92,32.41 75.22,32.41 74.09,31.28 74.09,23.72 76.69,21.12 76.69,11.41 78.59,9.51 78.59,6.22 79.24,5.58 88.39,5.58 88.54,5.73 88.54,5.94 v1(88.05,6.43)